# KiCad board qEdge-UI.kicad_pcb
title: qEdge-UI; date: 13.02.2023; rev: V1.0.0; company: (C) 2023 qinno; note: CYA; note: 17.02.2023; note: MSC; note: 17.02.2023; note: RWO; note: -; note: V1.0.0
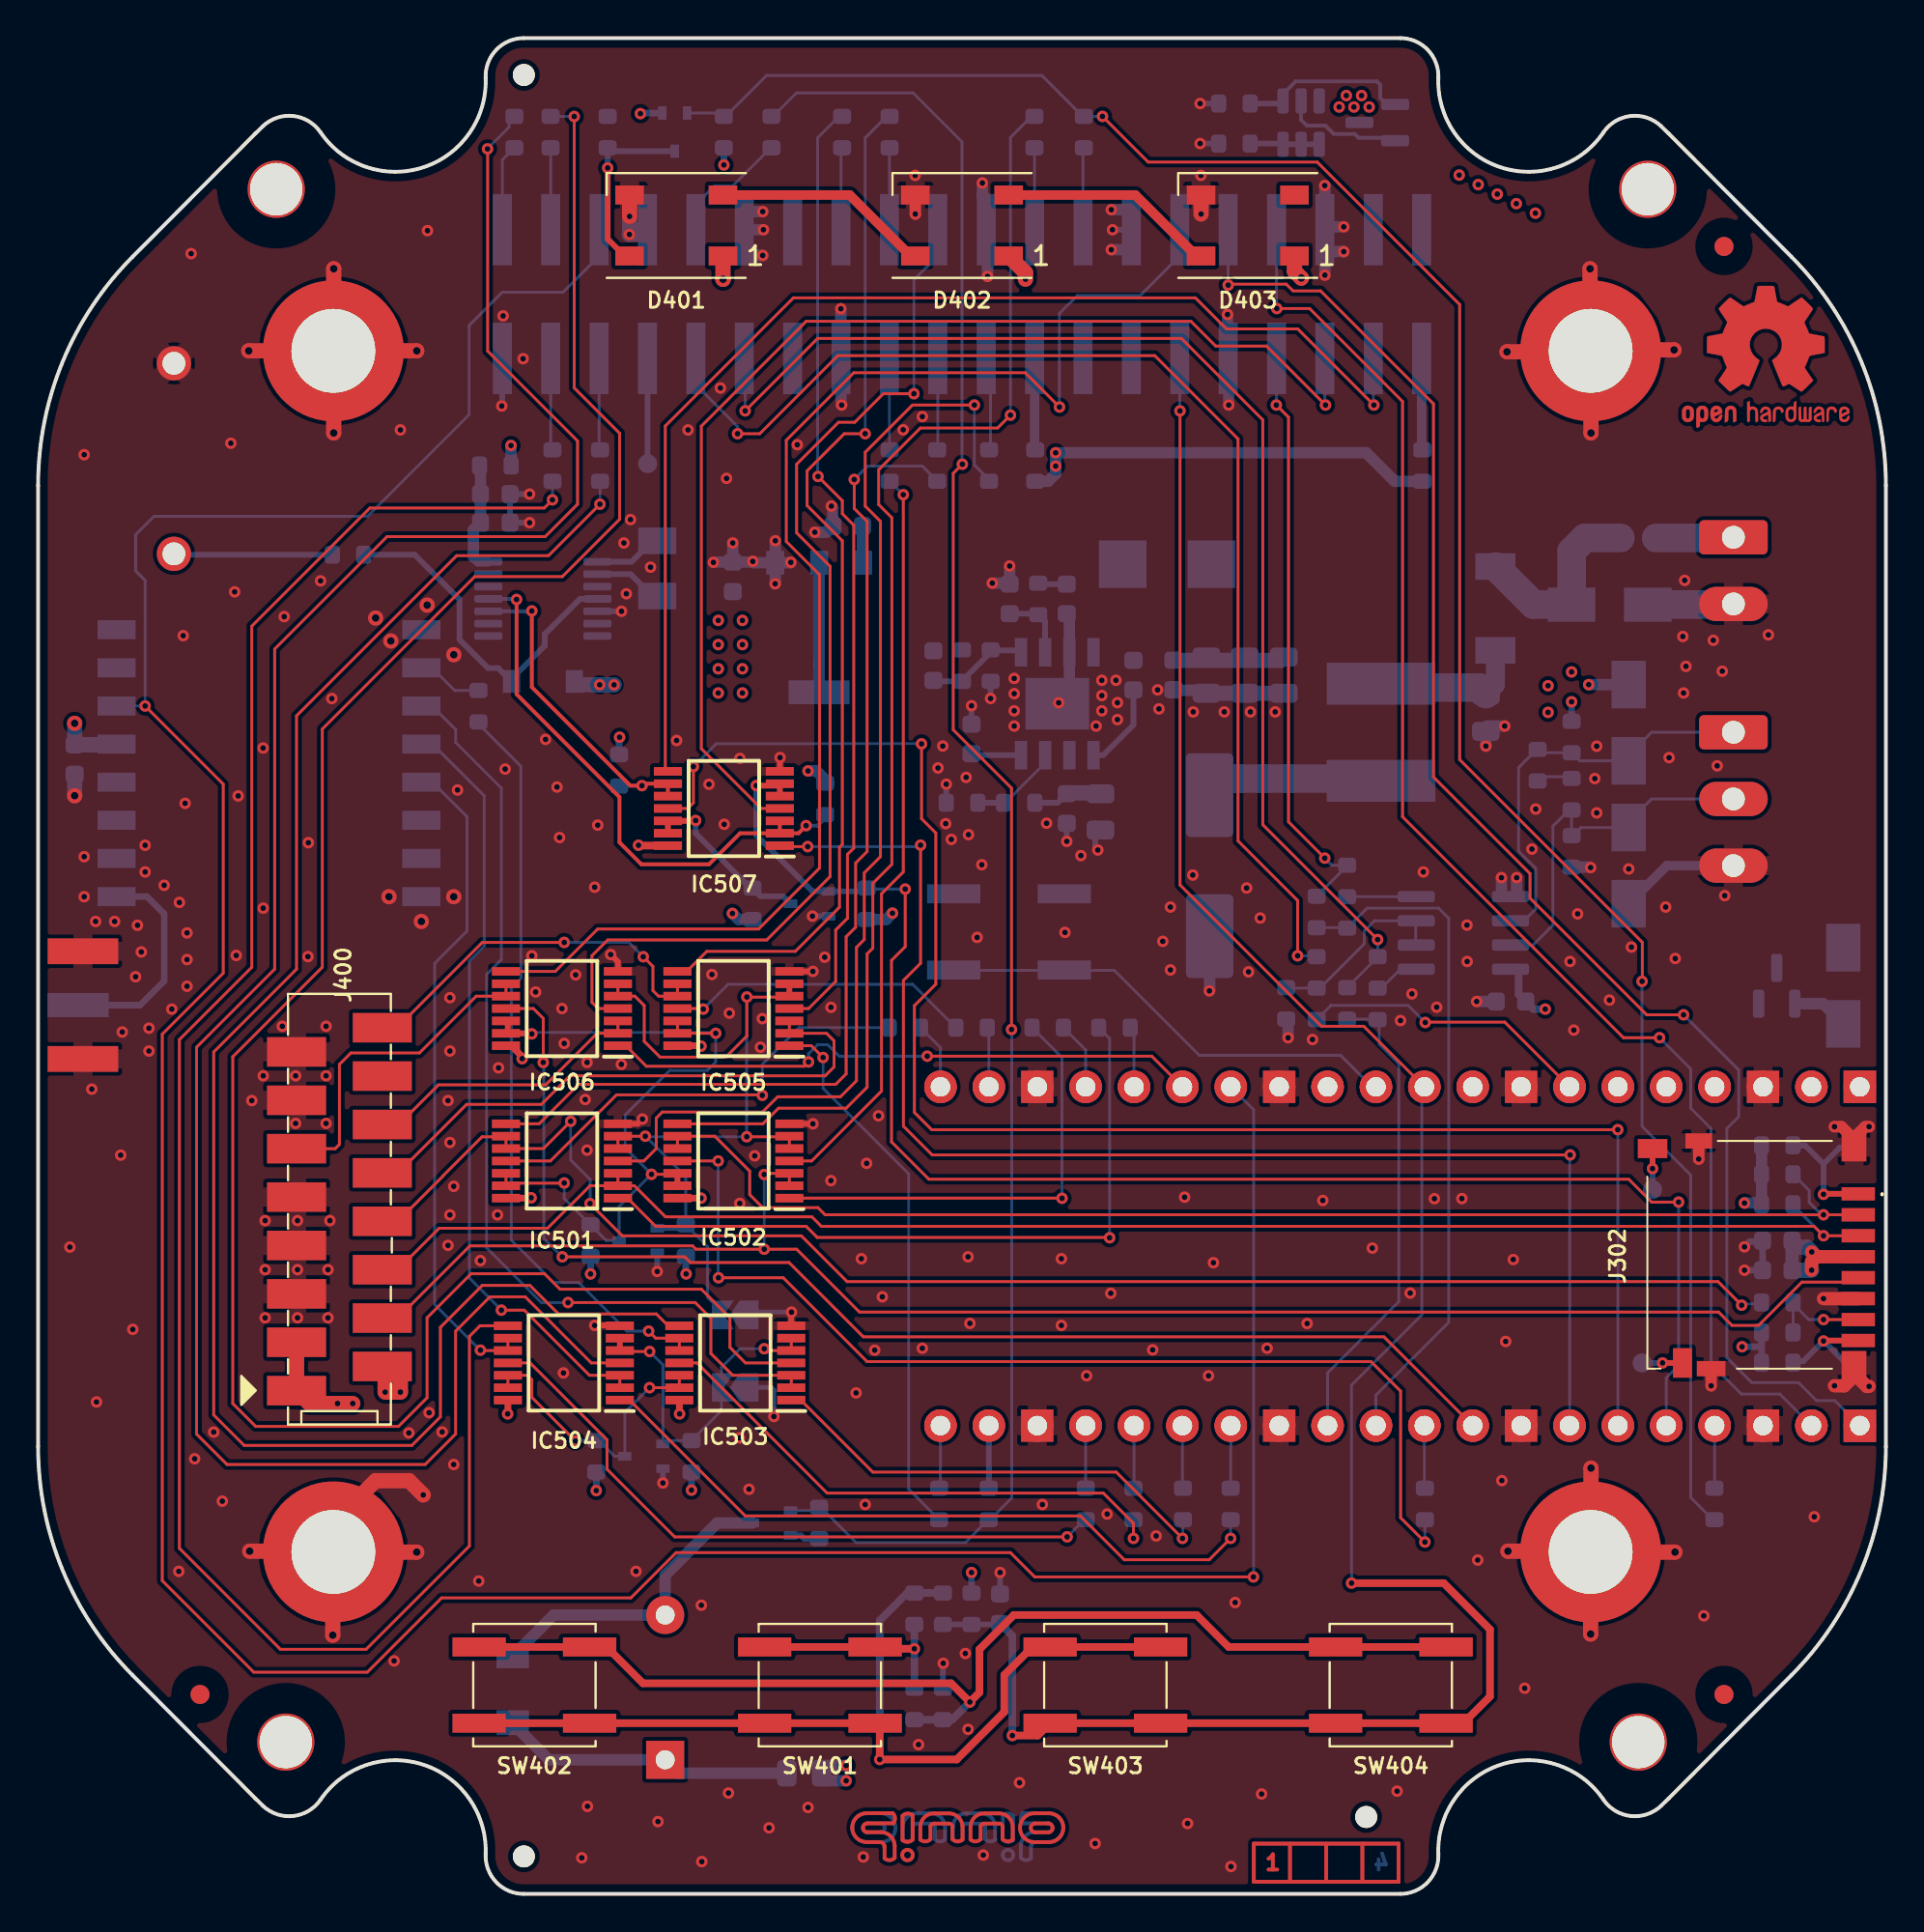
[diagram p0: board, top side]
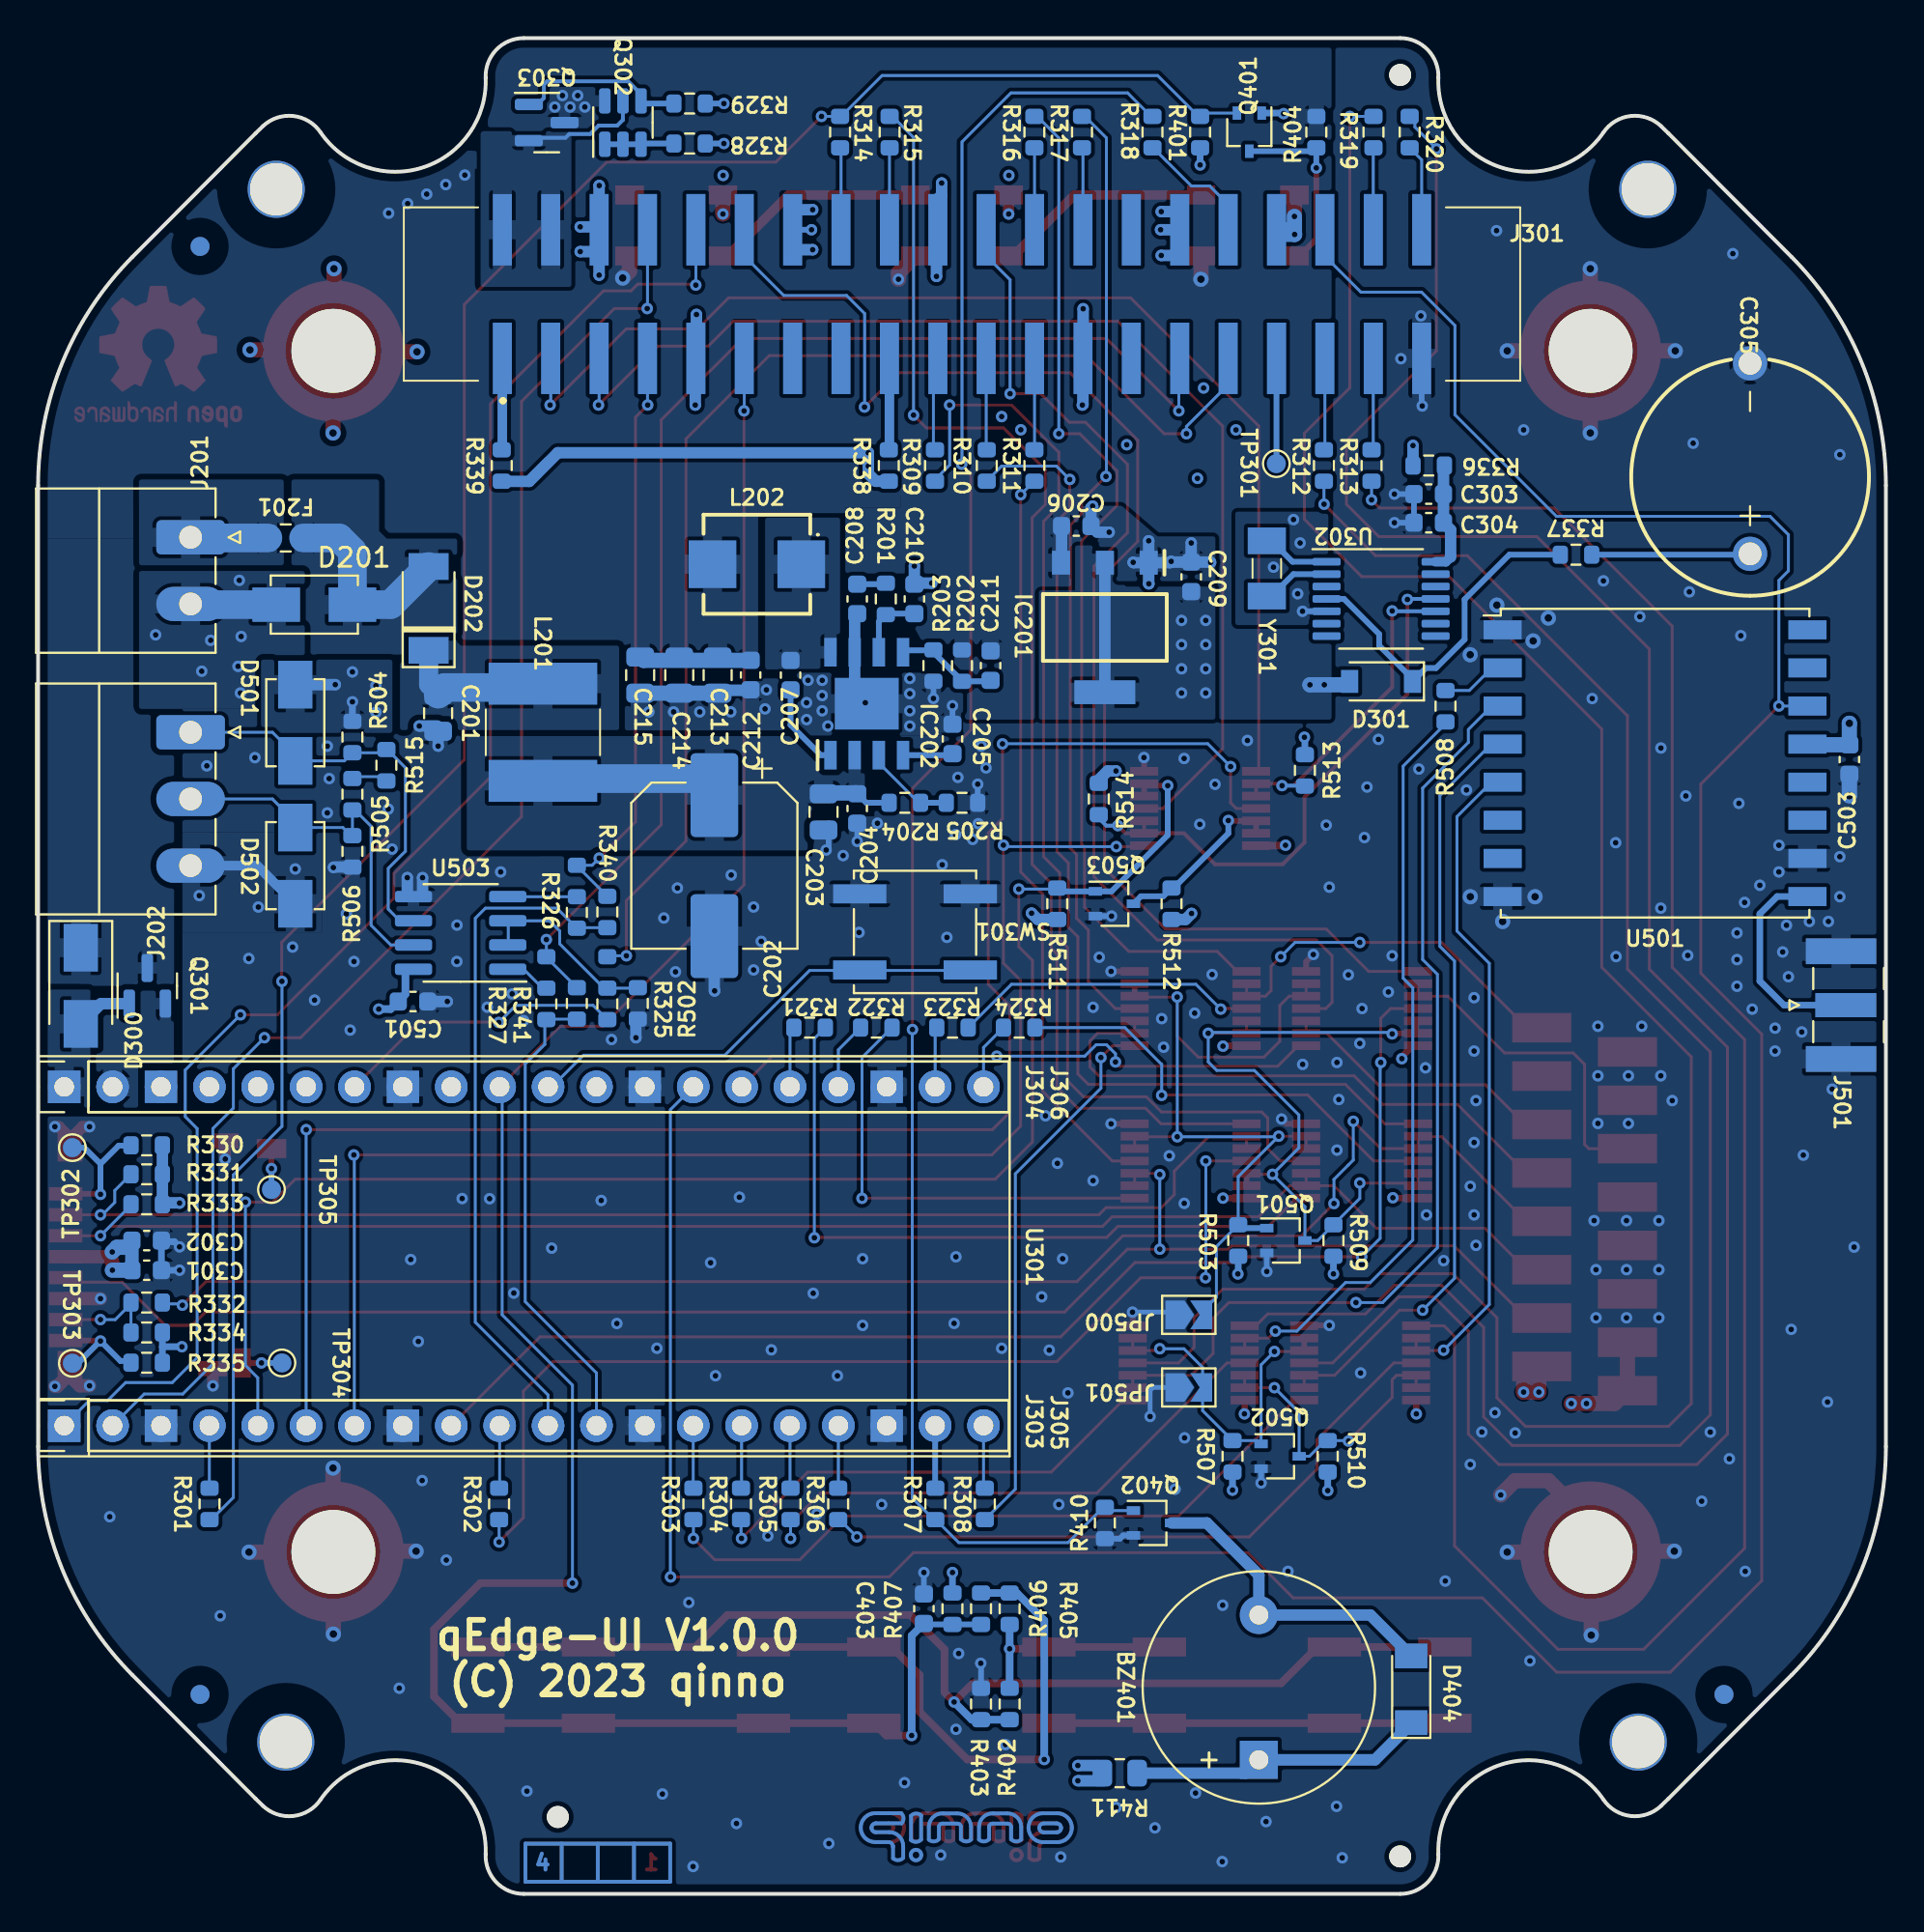
[diagram p1: board, bottom side, seen from below]

Outline 97 x 97.4 mm; copper layers: Top, In1.Cu, In2.Cu, Bottom. Coordinates in mm from the lower left corner of the outline.
Outline path: 0,73.92 0,23.48 arc(1.29,16.99) 4.96,11.48 11.41,5 arc(11.61,4.81) 11.81,4.62 arc(13.39,4.09) 14.83,4.95 arc(20.24,6.78) 23.49,2.08 arc(24.05,0.61) 25.49,0 71.51,0 arc(72.95,0.61) 73.51,2.08 arc(76.76,6.78) 82.17,4.95 arc(83.61,4.09) 85.19,4.62 arc(85.39,4.81) 85.59,5 92.04,11.48 arc(95.71,16.99) 97,23.48 97,73.92 arc(95.71,80.41) 92.04,85.92 85.59,92.4 arc(85.39,92.59) 85.19,92.78 arc(83.61,93.31) 82.17,92.45 arc(76.76,90.63) 73.51,95.32 arc(72.95,96.79) 71.51,97.4 25.49,97.4 arc(24.05,96.79) 23.49,95.32 arc(20.24,90.63) 14.83,92.45 arc(13.39,93.31) 11.81,92.78 arc(11.61,92.59) 11.41,92.4 4.96,85.92 arc(1.29,80.41) 0,73.92
Stack: Top 0.035mm / dielectric 0.2mm 7628 er 4 / In1.Cu 0.0175mm / dielectric 1.065mm FR4 er 4.6 / In2.Cu 0.0175mm / dielectric 0.2mm 7628 er 4 / Bottom 0.035mm

## Placement (name value [footprint] x y rotation side)
BZ401  KXG1205C  [Buzzer_12x9.5RM7.6]  32.92 7.04 90 bottom
C201  10u  [C_0805_2012Metric]  76 61.97 270 bottom
C202  100u/50V  [CP_Elec_8x10.5]  61.5 53.97 270 bottom
C203  10u  [C_0805_2012Metric]  55.77 56.79 270 bottom
C204  100n  [C_0603_1608Metric]  54 56.97 270 bottom
C205  10n  [C_0603_1608Metric]  49 60.62 90 bottom
C206  10u  [C_0603_1608Metric]  42.5 71.79 180 bottom
C207  100n  [C_0603_1608Metric]  57.5 63.97 270 bottom
C208  2n7  [C_0603_1608Metric]  54 67.97 270 bottom
C209  10u  [C_0603_1608Metric]  36.47 69.13 90 bottom
C210  33p  [C_0603_1608Metric]  51 67.97 90 bottom
C211  100p  [C_0603_1608Metric]  47 64.47 270 bottom
C212  100n  [C_0603_1608Metric]  59.59 63.97 270 bottom
C213  22u  [C_0805_2012Metric]  61.33 63.97 270 bottom
C214  22u  [C_0805_2012Metric]  63.34 63.97 270 bottom
C215  22u  [C_0805_2012Metric]  65.39 63.97 270 bottom
C301  10u  [C_0603_1608Metric]  91.3 32.73 180 bottom
C302  100n  [C_0603_1608Metric]  91.3 34.29 180 bottom
C303  3u3  [C_0603_1608Metric]  24 73.47 0 bottom
C304  100n  [C_0603_1608Metric]  24 71.97 0 bottom
C305  0.1F/5.5V  [Elna_DX5R5H104U]  7.13 74.33 270 bottom
C403  10n  [C_0603_1608Metric]  50.5 14.97 90 bottom
C501  100n  [C_0603_1608Metric]  77.32 46.84 180 bottom
C503  100n  [C_0603_1608Metric]  1.92 59.54 270 bottom
D201  SMAJ26CA  [D_SMA_bipolar]  82.5 67.67 180 bottom
D202  PMEG6030EP  [D_SOD-128]  76.5 67.47 90 bottom
D300  SSA34-E3/61T  [D_SMA]  94.76 47.66 270 bottom
D301  1N4148W  [D_SOD-123]  26.5 63.64 0 bottom
D401  WS2812B  [LED_WS2812B_PLCC4_5.0x5.0mm_P3.2mm]  33.5 87.57 180 top
D402  WS2812B  [LED_WS2812B_PLCC4_5.0x5.0mm_P3.2mm]  48.5 87.57 180 top
D403  WS2812B  [LED_WS2812B_PLCC4_5.0x5.0mm_P3.2mm]  63.5 87.57 180 top
D404  BAS32L  [D_MiniMELF]  24.92 10.74 90 bottom
D501  D_TVS  [D_SMA_bipolar]  83.5 61.47 90 bottom
D502  D_TVS  [D_SMA_bipolar]  83.5 53.97 90 bottom
F201  F0805B3R00FSTR  [Fuse_0805_2012Metric]  84 71.17 180 bottom
FID101  Fiducial  [Fiducial_1mm_Mask3mm]  8.5 10.47 0 top
FID102  Fiducial  [Fiducial_1mm_Mask3mm]  88.5 10.47 0 top
FID103  Fiducial  [Fiducial_1mm_Mask3mm]  88.5 86.47 0 top
FID104  Fiducial  [Fiducial_1mm_Mask3mm]  8.5 10.47 180 bottom
FID105  Fiducial  [Fiducial_1mm_Mask3mm]  88.5 10.47 180 bottom
FID106  Fiducial  [Fiducial_1mm_Mask3mm]  88.5 86.47 180 bottom
H101  ToolingHole  [JLCSMT_ToolingHole]  25.5 1.97 0 top
H102  ToolingHole  [JLCSMT_ToolingHole]  69.72 4.04 0 top
H103  ToolingHole  [JLCSMT_ToolingHole]  25.5 95.47 0 top
H104  3mm_Mounting_Hole  [NPTH_3mm_ID]  13 7.97 0 top
H105  3mm_Mounting_Hole  [NPTH_3mm_ID]  84 7.97 0 top
H106  3mm_Mounting_Hole  [NPTH_3mm_ID]  84.5 89.47 0 top
H107  3mm_Mounting_Hole  [NPTH_3mm_ID]  12.5 89.47 0 top
IC201  NCP1117ST33T3G  [SOT230P700X180-4N]  41 66.47 270 bottom
IC202  AP64501SP-13  [SOIC127P600X163-9N]  53.5 62.47 90 bottom
IC501  74HC4066PW  [SOP65P640X110-14N]  27.5 38.47 180 top
IC502  74HC4066PW  [SOP65P640X110-14N]  36.5 38.47 180 top
IC503  74HC4066PW  [SOP65P640X110-14N]  36.6 27.87 180 top
IC504  74HC4066PW  [SOP65P640X110-14N]  27.6 27.87 180 top
IC505  74HC4066PW  [SOP65P640X110-14N]  36.5 46.47 180 top
IC506  74HC4066PW  [SOP65P640X110-14N]  27.5 46.47 180 top
IC507  74HC4066PW  [SOP65P640X110-14N]  36 56.97 180 top
J201  Conn_01x02_Male  [PhoenixContact_MC_1,5_2-G-3.5_1x02_P3.50mm_Horizontal]  89 71.2 270 bottom
J202  Conn_01x03_Male  [PhoenixContact_MC_1,5_3-G-3.5_1x03_P3.50mm_Horizontal]  89 60.97 270 bottom
J301  RPi-4B_HAT  [Wuerth_WR-BHD_61234020621]  48.5 83.97 180 bottom
J302  1140084168  [Amphenol_1140084168]  90.2 33.47 90 top
J303  Conn_01x20_Male  [PinHeader_1x20_P2.54mm_Vertical]  95.63 24.58 90 bottom
J304  Conn_01x20_Male  [PinHeader_1x20_P2.54mm_Vertical]  95.63 42.36 90 bottom
J305  Conn_01x20_Female  [PinSocket_1x20_P2.54mm_Vertical]  95.63 24.58 90 bottom
J306  Conn_01x20_Female  [PinSocket_1x20_P2.54mm_Vertical]  95.63 42.36 90 bottom
J400  -  [Wuerth_WR-MM_690367281676]  15.82 35.94 90 top
J501  SMA_EdgeMount  [Samtec_SMA-J-P-X-ST-EM1]  2.1 46.65 90 bottom
JP500  SolderJumper_2_Open  [SolderJumper-2_P1.3mm_Open_TrianglePad1.0x1.5mm]  36.59 30.39 180 bottom
JP501  SolderJumper_2_Open  [SolderJumper-2_P1.3mm_Open_TrianglePad1.0x1.5mm]  36.59 26.58 180 bottom
L201  33u/1.5A  [Murata_1255AY100MP3]  70.5 60.97 270 bottom
L202  3u3/5.0A  [Abracon_ASPI0530LR3R3MT2]  59.27 69.79 0 bottom
LOGO101  Logo_Open_Hardware_Small  [OSHW-Logo2_9.8x8mm_Copper]  90.7 80.68 0 top
LOGO102  qinno  [Logo-qinno-2]  48.52 2.94 0 top
LOGO103  qinno  [Logo-qinno-2]  48.04 2.94 180 bottom
Q301  DMG2305UX  [SOT-23]  91.27 47.66 90 bottom
Q302  DMMT5401  [SOT-23-6]  66.3 92.97 90 bottom
Q303  DMG2305UX  [SOT-23]  70.3 92.97 180 bottom
Q401  BSS138BKW  [SOT-323_SC-70]  33.42 92.47 270 bottom
Q402  BSS138BKW  [SOT-323_SC-70]  38.5 19.47 180 bottom
Q501  BSS138BKW  [SOT-323_SC-70]  31.5 34.29 180 bottom
Q502  BSS138BKW  [SOT-323_SC-70]  31.8 22.97 180 bottom
Q503  BSS138BKW  [SOT-323_SC-70]  40.5 51.97 180 bottom
R201  15K8  [R_0603_1608Metric]  52.5 67.97 90 bottom
R202  115K  [R_0603_1608Metric]  48.5 64.47 270 bottom
R203  22K1  [R_0603_1608Metric]  50 64.47 270 bottom
R204  59K  [R_0603_1608Metric]  51.5 57.27 180 bottom
R205  7K87  [R_0603_1608Metric]  48.5 57.27 180 bottom
R301  100R  [R_0603_1608Metric]  88 20.47 90 bottom
R302  22R  [R_0603_1608Metric]  72.8 20.47 90 bottom
R303  22R  [R_0603_1608Metric]  62.6 20.47 90 bottom
R304  22R  [R_0603_1608Metric]  60.1 20.47 90 bottom
R305  22R  [R_0603_1608Metric]  57.5 20.47 90 bottom
R306  22R  [R_0603_1608Metric]  55 20.47 90 bottom
R307  100R  [R_0603_1608Metric]  49.9 20.47 90 bottom
R308  22R  [R_0603_1608Metric]  47.3 20.47 90 bottom
R309  22R  [R_0603_1608Metric]  49.92 74.97 90 bottom
R310  22R  [R_0603_1608Metric]  47.2 74.97 90 bottom
R311  22R  [R_0603_1608Metric]  44.7 74.97 90 bottom
R312  22R  [R_0603_1608Metric]  29.5 74.97 90 bottom
R313  22R  [R_0603_1608Metric]  27 74.97 90 bottom
R314  100R  [R_0603_1608Metric]  54.9 92.47 90 bottom
R315  22R  [R_0603_1608Metric]  52.3 92.47 90 bottom
R316  22R  [R_0603_1608Metric]  44.7 92.47 90 bottom
R317  22R  [R_0603_1608Metric]  42.2 92.47 90 bottom
R318  100R  [R_0603_1608Metric]  38.5 92.47 90 bottom
R319  22R  [R_0603_1608Metric]  26.9 92.47 90 bottom
R320  22R  [R_0603_1608Metric]  25 92.47 90 bottom
R321  22R  [R_0603_1608Metric]  56.5 45.47 180 bottom
R322  22R  [R_0603_1608Metric]  53 45.47 180 bottom
R323  22R  [R_0603_1608Metric]  49 45.47 180 bottom
R324  22R  [R_0603_1608Metric]  45.5 45.47 180 bottom
R325  0R-Jumper  [0603_3-pin-Jumper]  67.12 47.54 90 bottom
R326  0R-Jumper  [0603_3-pin-Jumper]  68.72 52.34 90 bottom
R327  0R-Jumper  [0603_3-pin-Jumper]  70.32 47.54 90 bottom
R328  10K  [R_0603_1608Metric]  62.8 91.87 180 bottom
R329  47K  [R_0603_1608Metric]  62.8 93.97 180 bottom
R330  10K  [R_0603_1608Metric]  91.3 39.29 0 bottom
R331  10K  [R_0603_1608Metric]  91.3 37.77 0 bottom
R332  22R  [R_0603_1608Metric]  91.3 31.04 0 bottom
R333  10K  [R_0603_1608Metric]  91.3 36.19 0 bottom
R334  10K  [R_0603_1608Metric]  91.3 29.47 0 bottom
R335  10K  [R_0603_1608Metric]  91.3 27.88 0 bottom
R336  1K  [R_0603_1608Metric]  24 74.97 180 bottom
R337  130R  [R_0603_1608Metric]  16.27 70.29 180 bottom
R338  0R  [R_0603_1608Metric]  52.34 74.97 90 bottom
R339  0R  [R_0603_1608Metric]  72.66 74.97 90 bottom
R340  0R  [R_0603_1608Metric]  67.12 51.54 270 bottom
R341  0R  [R_0603_1608Metric]  68.72 46.74 270 bottom
R401  10K  [R_0603_1608Metric]  36 92.47 90 bottom
R402  1K  [R_0603_1608Metric]  46 9.97 270 bottom
R403  100R  [R_0603_1608Metric]  47.5 9.97 90 bottom
R404  4K7  [R_0603_1608Metric]  29.9 92.47 270 bottom
R405  680R  [R_0603_1608Metric]  46 14.97 90 bottom
R406  390R  [R_0603_1608Metric]  47.5 14.97 270 bottom
R407  3K3  [R_0603_1608Metric]  49 14.97 270 bottom
R410  10K  [R_0603_1608Metric]  41 19.47 270 bottom
R411  15R  [R_0805_2012Metric]  40.22 6.34 180 bottom
R502  10K  [R_0603_1608Metric]  65.52 46.74 270 bottom
R503  10K  [R_0603_1608Metric]  34 34.29 90 bottom
R504  4K7  [R_0603_1608Metric]  80.5 60.72 270 bottom
R505  56R  [R_0603_1608Metric]  80.5 57.72 270 bottom
R506  4K7  [R_0603_1608Metric]  80.5 54.72 270 bottom
R507  10K  [R_0603_1608Metric]  34.3 22.97 90 bottom
R508  22R  [R_0603_1608Metric]  23.12 62.34 270 bottom
R509  10K  [R_0603_1608Metric]  29 34.29 90 bottom
R510  10K  [R_0603_1608Metric]  29.3 22.97 90 bottom
R511  10K  [R_0603_1608Metric]  43.5 51.97 90 bottom
R512  10K  [R_0603_1608Metric]  37.5 51.97 90 bottom
R513  4K7  [R_0603_1608Metric]  30.5 58.97 270 bottom
R514  4K7  [R_0603_1608Metric]  41.32 57.47 270 bottom
R515  56R  [R_0603_1608Metric]  78.72 59.24 270 bottom
SPA101  Spacer_M3_L=10mm  [Mounting_Wuerth_WA-SMSI-M3_H10mm_9774100360]  15.5 17.95 0 top
SPA102  Spacer_M3_L=10mm  [Mounting_Wuerth_WA-SMSI-M3_H10mm_9774100360]  81.5 17.95 0 top
SPA103  Spacer_M3_L=10mm  [Mounting_Wuerth_WA-SMSI-M3_H10mm_9774100360]  81.5 80.99 0 top
SPA104  Spacer_M3_L=10mm  [Mounting_Wuerth_WA-SMSI-M3_H10mm_9774100360]  15.5 80.99 0 top
SW301  KSC221J  [SW_Push_1P1T_NO_CK_KSC6xxJ]  50.97 50.49 180 bottom
SW401  KSC221J  [SW_Push_1P1T_NO_CK_KSC6xxJ]  41.04 10.96 0 top
SW402  KSC221J  [SW_Push_1P1T_NO_CK_KSC6xxJ]  26.05 10.96 0 top
SW403  KSC221J  [SW_Push_1P1T_NO_CK_KSC6xxJ]  56.02 10.96 0 top
SW404  KSC221J  [SW_Push_1P1T_NO_CK_KSC6xxJ]  71.01 10.96 0 top
TP301  TestPoint  [TestPoint_Pad_D1.0mm]  32 75.07 90 bottom
TP302  TestPoint  [TestPoint_Pad_D1.0mm]  95.2 39.17 270 bottom
TP303  TestPoint  [TestPoint_Pad_D1.0mm]  95.2 27.85 90 bottom
TP304  TestPoint  [TestPoint_Pad_D1.0mm]  84.2 27.87 90 bottom
TP305  TestPoint  [TestPoint_Pad_D1.0mm]  84.75 36.97 90 bottom
U301  RPi-Pico  [RPi-Pico_THT_wo_Debug]  71.5 33.47 90 bottom
U302  PCF8523TS  [TSSOP-14_4.4x5mm_P0.65mm]  26.5 67.97 180 bottom
U501  RFM95W-868S2  [HopeRF_RFM95W-868S2]  12.12 59.35 180 bottom
U503  SP3485CN  [SOIC-8_3.9x4.9mm_P1.27mm]  74.82 50.44 0 bottom
Y301  32.768kHz  [MicroCrystal_CM7V32768TBQA020]  32.5 69.57 90 bottom

## Library data of the parts
BZ401 = -: Manufacturer_Name: KINGSTATE
C202 = -: Manufacturer_Name: Wuerth; Manufacturer_Part_Number: 865080653016
C211 D501 D502 R333 R334 R505 R515 = -: DNP: DNP
C305 = -: Manufacturer_Name: Elna; Manufacturer_Part_Number: DX-5R5H104U
D201 = -: Manufacturer_Name: Littelfuse
D202 = -: Manufacturer_Name: Nexperia; Manufacturer_Part_Number: PMEG6030EP,115
D300 = -: Manufacturer_Name: Vishay
D301 = -: Manufacturer_Name: Vishay; Manufacturer_Part_Number: 1N4148W-E3
D401-D403 = -: Manufacturer_Name: Worldsemi
D404 = -: Manufacturer_Name: Nexperia; Manufacturer_Part_Number: BAS32L,115
F201 = -: Manufacturer_Name: Kyocera AVX
IC201 = -: Manufacturer_Name: onsemi
IC202 = -: Manufacturer_Name: Diodes
IC501-IC507 = -: Manufacturer_Name: Nexperia; Manufacturer_Part_Number: 74HC4066PW,118
J201 = -: Manufacturer_Name: Phoenix; Manufacturer_Part_Number: MC 1,5/ 2-G-3,5 - 1844210
J202 = -: Manufacturer_Name: Phoenix; Manufacturer_Part_Number: MC 1,5/ 3-G-3,5 - 1844223
J301 = -: Manufacturer_Name: Wuerth; Manufacturer_Part_Number: 61234020621
J302 = -: Manufacturer_Name: Amphenol
J303 J304 = -: Manufacturer_Name: Multicomp Pro; Manufacturer_Part_Number: MC34739
J305 J306 = -: Manufacturer_Name: Multicomp Pro; Manufacturer_Part_Number: 2212S-20SG-85
J400 = -: Manufacturer_Name: Wuerth; Manufacturer_Part_Number: 690367281676
J501 = -: Manufacturer_Name: Samtec; Manufacturer_Part_Number: SMA-J-P-H-ST-EM1; Field6: PCB Edge; Field7: Board Thickness: 1.57mm
L201 = -: Manufacturer_Name: Murata; Manufacturer_Part_Number: 1255AY-330M=P3
L202 = -: Manufacturer_Name: ABRACON; Manufacturer_Part_Number: ASPI-0530LR-3R3M-T2
Q301 Q303 = -: Manufacturer_Name: Diodes; Manufacturer_Part_Number: DMG2305UX-13
Q302 = -: Manufacturer_Name: Diodes; Manufacturer_Part_Number: DMMT5401-7-F
Q401 Q402 Q501-Q503 = -: Manufacturer_Name: Nexperia; Manufacturer_Part_Number: BSS138BKW,115
R325-R327 = -: Manufacturer_Name: YAGEO; Manufacturer_Part_Number: RC0603FR-070RL
SPA101-SPA104 = -: Manufacturer_Name: Wuerth; Manufacturer_Part_Number: 9774100360
SW301 SW401-SW404 = -: Manufacturer_Name: C&K; Manufacturer_Part_Number: KSC221JLFS
U301 = -: Manufacturer_Name: Raspberry Pi; Manufacturer_Part_Number: Pico W; Field6: GP21; Field7: GP14; Field8: GP12; Field9: GP26; Field10: GP15; Field11: AGND; Field12: GP20; Field13: GP1; Field14: GND; Field15: GP16; Field16: GND; Field17: GND; Field18: GP28; Field19: GP27; Field20: ADC_VREF; Field21: 3V3_EN; Field22: GND; Field23: GND; Field24: VSYS; Field25: GP9; Field26: GP8; Field27: 3V3; Field28: GP7; Field29: GP0; Field30: GP3; Field31: GP18; Field32: GND; Field33: GND; Field34: GP4; Field35: GP10; Field36: GP5; Field37: RUN; Field38: VBUS; Field39: GP19; Field40: GP17; Field41: GP11; Field42: GP2; Field43: GP6; Field44: GP13; Field45: GP22
U501 = -: Manufacturer_Name: HopeRF
U503 = -: Manufacturer_Name: MaxLinear; Manufacturer_Part_Number: SP3485CN-L/TR
Y301 = -: Manufacturer_Name: Micro Crystal AG; Manufacturer_Part_Number: CM7V-T1A-Low-ESR-32.768k-7pF-10-TB-QA

## Footprints (pads in the part's own frame, mm; a bottom-side part is the same pattern mirrored in y, then rotated)
0603_3-pin-Jumper
  rrect 0.8x0.95 smd: 1(-1.65,0) 2(0,0) 3(1.65,0)
Abracon_ASPI0530LR3R3MT2
  rect 2.5x2.5 smd: 1(-2.33,0) 2(2.33,0)
Amphenol_1140084168
  rect 0.7x1.75 smd: 1(3.275,-5.35) 2(2.175,-5.35) 3(1.075,-5.35) 4(-0.025,-5.35) 5(-1.125,-5.35) 6(-2.225,-5.35) 7(-3.325,-5.35) 8(-4.425,-5.35)
  rect 1.5x1.3 smd: 9(-5.725,-5.125) 10(5.725,-5.125)
  rect 0.8x1.5 smd: 11(-5.9,2.375)
  rect 0.8x1.4 smd: 12(6.05,3.025)
  rect 1.55x1 smd: CD1(-5.6,3.875)
  rect 1x1.55 smd: CD2(5.65,5.45)
Buzzer_12x9.5RM7.6
  rect 2x2 hole 1: 1(0,0)
  round 2 hole 1: 2(7.6,0)
C_0603_1608Metric
  rrect 0.9x0.95 smd: 1(-0.775,0) 2(0.775,0)
C_0805_2012Metric
  rrect 1x1.45 smd: 1(-0.95,0) 2(0.95,0)
CP_Elec_8x10.5
  rrect 4.4x2.5 smd: 1(-3.7,0) 2(3.7,0)
D_MiniMELF
  rect 1.3x1.7 smd: 1(-1.75,0) 2(1.75,0)
D_SMA
  rect 2.5x1.8 smd: 1(-2,0) 2(2,0)
D_SMA_bipolar
  rect 2.5x1.8 smd: 1(-2,0) 2(2,0)
D_SOD-123
  rect 0.9x1.2 smd: 1(-1.65,0) 2(1.65,0)
D_SOD-128
  rect 1.4x2.1 smd: 1(-2.2,0) 2(2.2,0)
Elna_DX5R5H104U
  round 1.8 hole 1.2: 1(-6,0) 2(4,0)
Fiducial_1mm_Mask3mm
  round 1 smd: (0,0)
Fuse_0805_2012Metric
  rrect 0.975x1.4 smd: 1(-0.938,0) 2(0.938,0)
HopeRF_RFM95W-868S2
  rect 2x1 smd: 1(-8,7) 2(-8,5) 3(-8,3) 4(-8,1) 5(-8,-1) 6(-8,-3) 7(-8,-5) 8(-8,-7) 9(8,-7) 10(8,-5) 11(8,-3) 12(8,-1) 13(8,1) 14(8,3) 15(8,5) 16(8,7)
JLCSMT_ToolingHole
  oval 1.152x1.152 hole 1.152 unplated: (0,0)
LED_WS2812B_PLCC4_5.0x5.0mm_P3.2mm
  rect 1.5x1 smd: 1(-2.45,1.6) 2(-2.45,-1.6) 3(2.45,-1.6) 4(2.45,1.6)
MicroCrystal_CM7V32768TBQA020
  rect 1.4x2 smd: 1(-1.45,0) 2(1.45,0)
Mounting_Wuerth_WA-SMSI-M3_H10mm_9774100360
  custom 3.192x3.192 smd: (-2.058,2.058) (-2.058,-2.058) (2.058,2.058) (2.058,-2.058)
  round 4.4 hole 4.4 unplated: (0,0)
  round 1.1 smd: 1(-2.95,0) 1(0,2.95) 1(0,-2.95)
  custom 7.4x7.4 smd: 1(2.95,0)
Murata_1255AY100MP3
  rect 2.2x5.7 smd: 1(-2.55,0) 2(2.55,0)
NPTH_3mm_ID
  round 3 hole 2.75 unplated: (0,0)
PhoenixContact_MC_1,5_2-G-3.5_1x02_P3.50mm_Horizontal
  rrect 1.8x3.6 hole 1.2: 1(0,0)
  oval 1.8x3.6 hole 1.2: 2(3.5,0)
PhoenixContact_MC_1,5_3-G-3.5_1x03_P3.50mm_Horizontal
  rrect 1.8x3.6 hole 1.2: 1(0,0)
  oval 1.8x3.6 hole 1.2: 2(3.5,0) 3(7,0)
PinHeader_1x20_P2.54mm_Vertical
  rect 1.7x1.7 hole 1: 1(0,0)
  oval 1.7x1.7 hole 1: 2(0,-2.54) 3(0,-5.08) 4(0,-7.62) 5(0,-10.16) 6(0,-12.7) 7(0,-15.24) 8(0,-17.78) 9(0,-20.32) 10(0,-22.86) 11(0,-25.4) 12(0,-27.94) 13(0,-30.48) 14(0,-33.02) 15(0,-35.56) 16(0,-38.1) 17(0,-40.64) 18(0,-43.18) 19(0,-45.72) 20(0,-48.26)
PinSocket_1x20_P2.54mm_Vertical
  rect 1.7x1.7 hole 1: 1(0,0)
  oval 1.7x1.7 hole 1: 2(0,-2.54) 3(0,-5.08) 4(0,-7.62) 5(0,-10.16) 6(0,-12.7) 7(0,-15.24) 8(0,-17.78) 9(0,-20.32) 10(0,-22.86) 11(0,-25.4) 12(0,-27.94) 13(0,-30.48) 14(0,-33.02) 15(0,-35.56) 16(0,-38.1) 17(0,-40.64) 18(0,-43.18) 19(0,-45.72) 20(0,-48.26)
R_0603_1608Metric
  rrect 0.8x0.95 smd: 1(-0.825,0) 2(0.825,0)
R_0805_2012Metric
  rrect 1.025x1.4 smd: 1(-0.912,0) 2(0.912,0)
RPi-Pico_THT_wo_Debug
  oval 1.7x1.7 hole 1.02: 1(-8.89,24.13) 2(-8.89,21.59) 4(-8.89,16.51) 5(-8.89,13.97) 6(-8.89,11.43) 7(-8.89,8.89) 9(-8.89,3.81) 10(-8.89,1.27) 11(-8.89,-1.27) 12(-8.89,-3.81) 14(-8.89,-8.89) 15(-8.89,-11.43) 16(-8.89,-13.97) 17(-8.89,-16.51) 19(-8.89,-21.59) 20(-8.89,-24.13) 21(8.89,-24.13) 22(8.89,-21.59) 24(8.89,-16.51) 25(8.89,-13.97) 26(8.89,-11.43) 27(8.89,-8.89) 29(8.89,-3.81) 30(8.89,-1.27) 31(8.89,1.27) 32(8.89,3.81) 34(8.89,8.89) 35(8.89,11.43) 36(8.89,13.97) 37(8.89,16.51) 39(8.89,21.59) 40(8.89,24.13)
  rect 1.7x1.7 hole 1.02: 3(-8.89,19.05) 8(-8.89,6.35) 13(-8.89,-6.35) 18(-8.89,-19.05) 23(8.89,-19.05) 28(8.89,-6.35) 33(8.89,6.35) 38(8.89,19.05)
Samtec_SMA-J-P-X-ST-EM1
  rect 1.27x3.2 smd: 1(0,0)
  rect 1.35x3.7 smd far side: 2(-2.825,0.25) 2(2.825,0.25)
  rect 1.35x3.7 smd: 2(-2.825,0.25) 2(2.825,0.25)
SOIC127P600X163-9N
  rect 1.5x0.65 smd: 1(-2.7,1.905) 2(-2.7,0.635) 3(-2.7,-0.635) 4(-2.7,-1.905) 5(2.7,-1.905) 6(2.7,-0.635) 7(2.7,0.635) 8(2.7,1.905)
  rect 2.71x3.35 smd: 9(0,0)
SOIC-8_3.9x4.9mm_P1.27mm
  rrect 1.95x0.6 smd: 1(-2.475,1.905) 2(-2.475,0.635) 3(-2.475,-0.635) 4(-2.475,-1.905) 5(2.475,-1.905) 6(2.475,-0.635) 7(2.475,0.635) 8(2.475,1.905)